# KiCad board pbx-sniffer-v2.kicad_pcb
title: M5 PBX Sniffer; date: 2026-06-01; rev: V2; note: Tobe Cynar
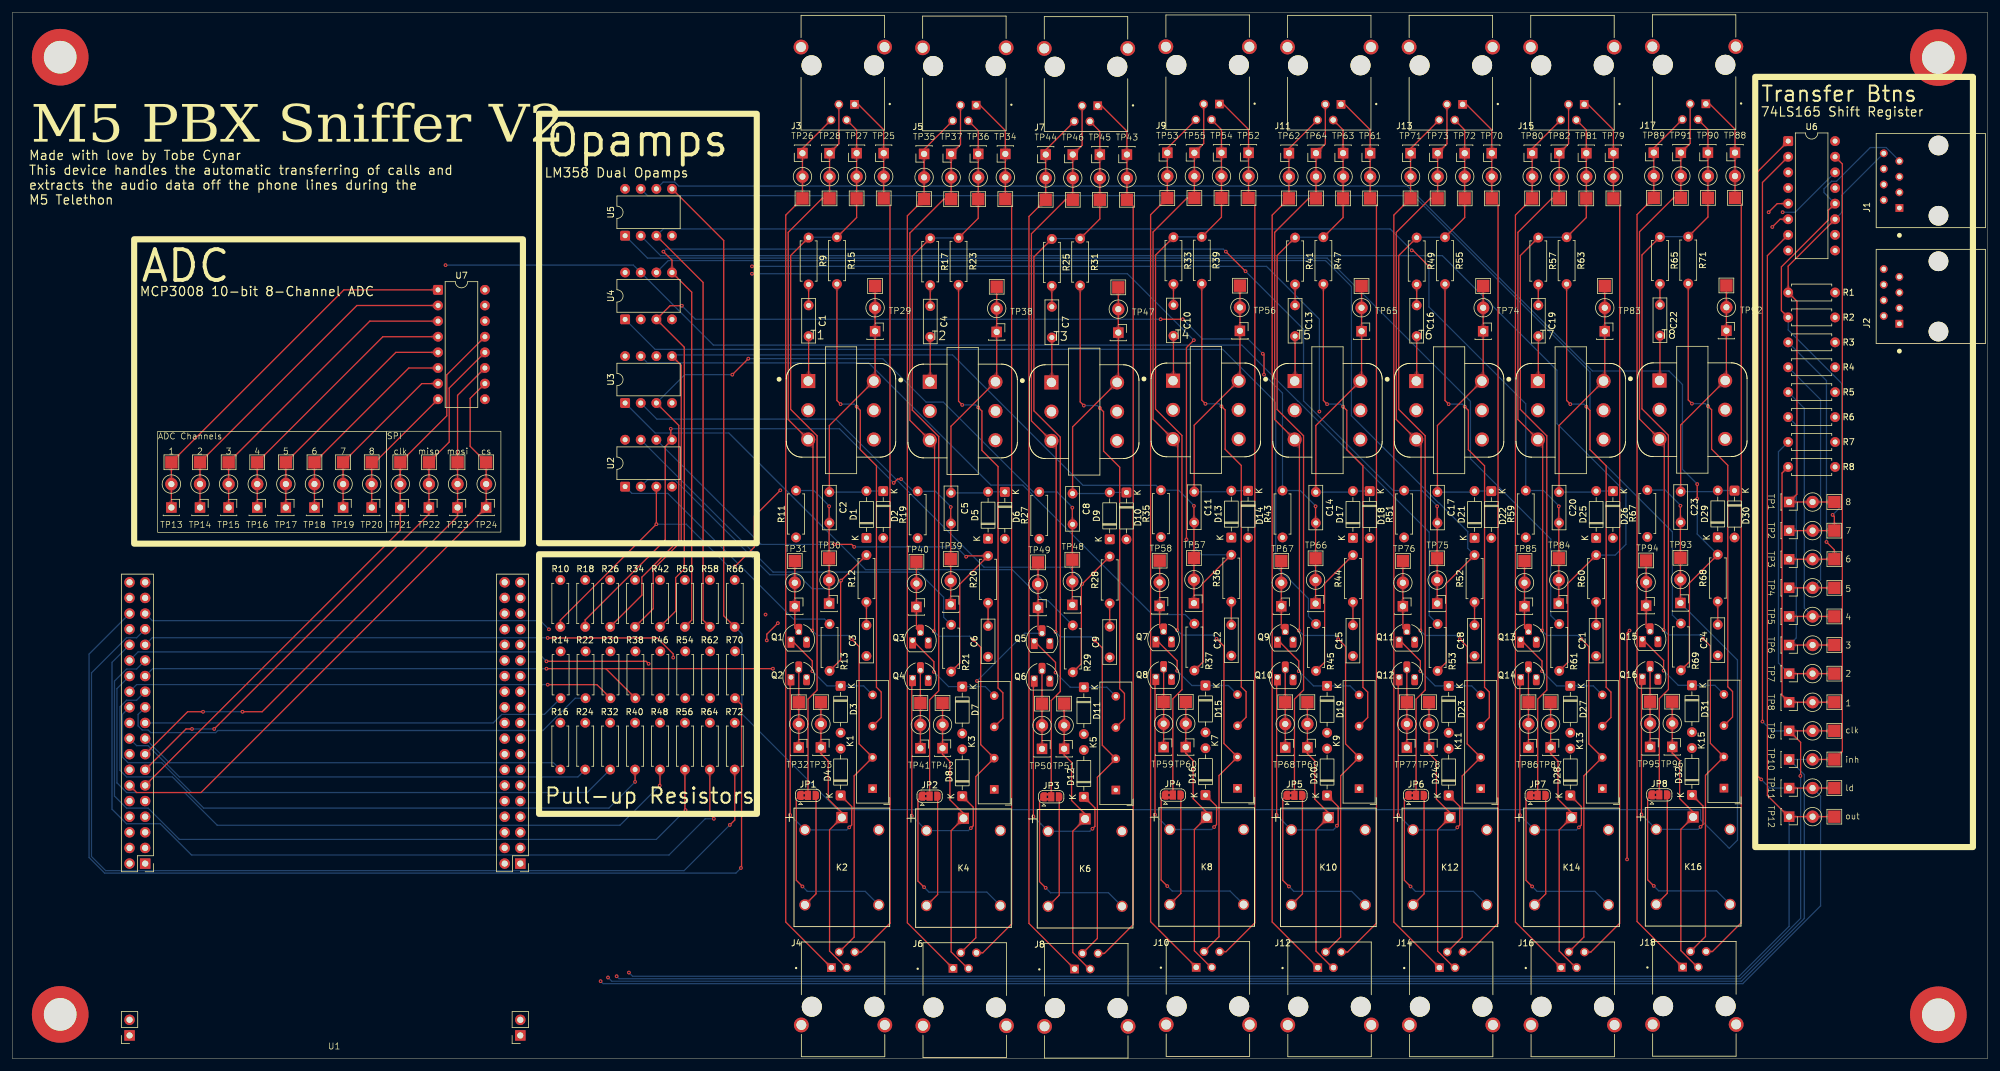
[diagram p0: board, top side]
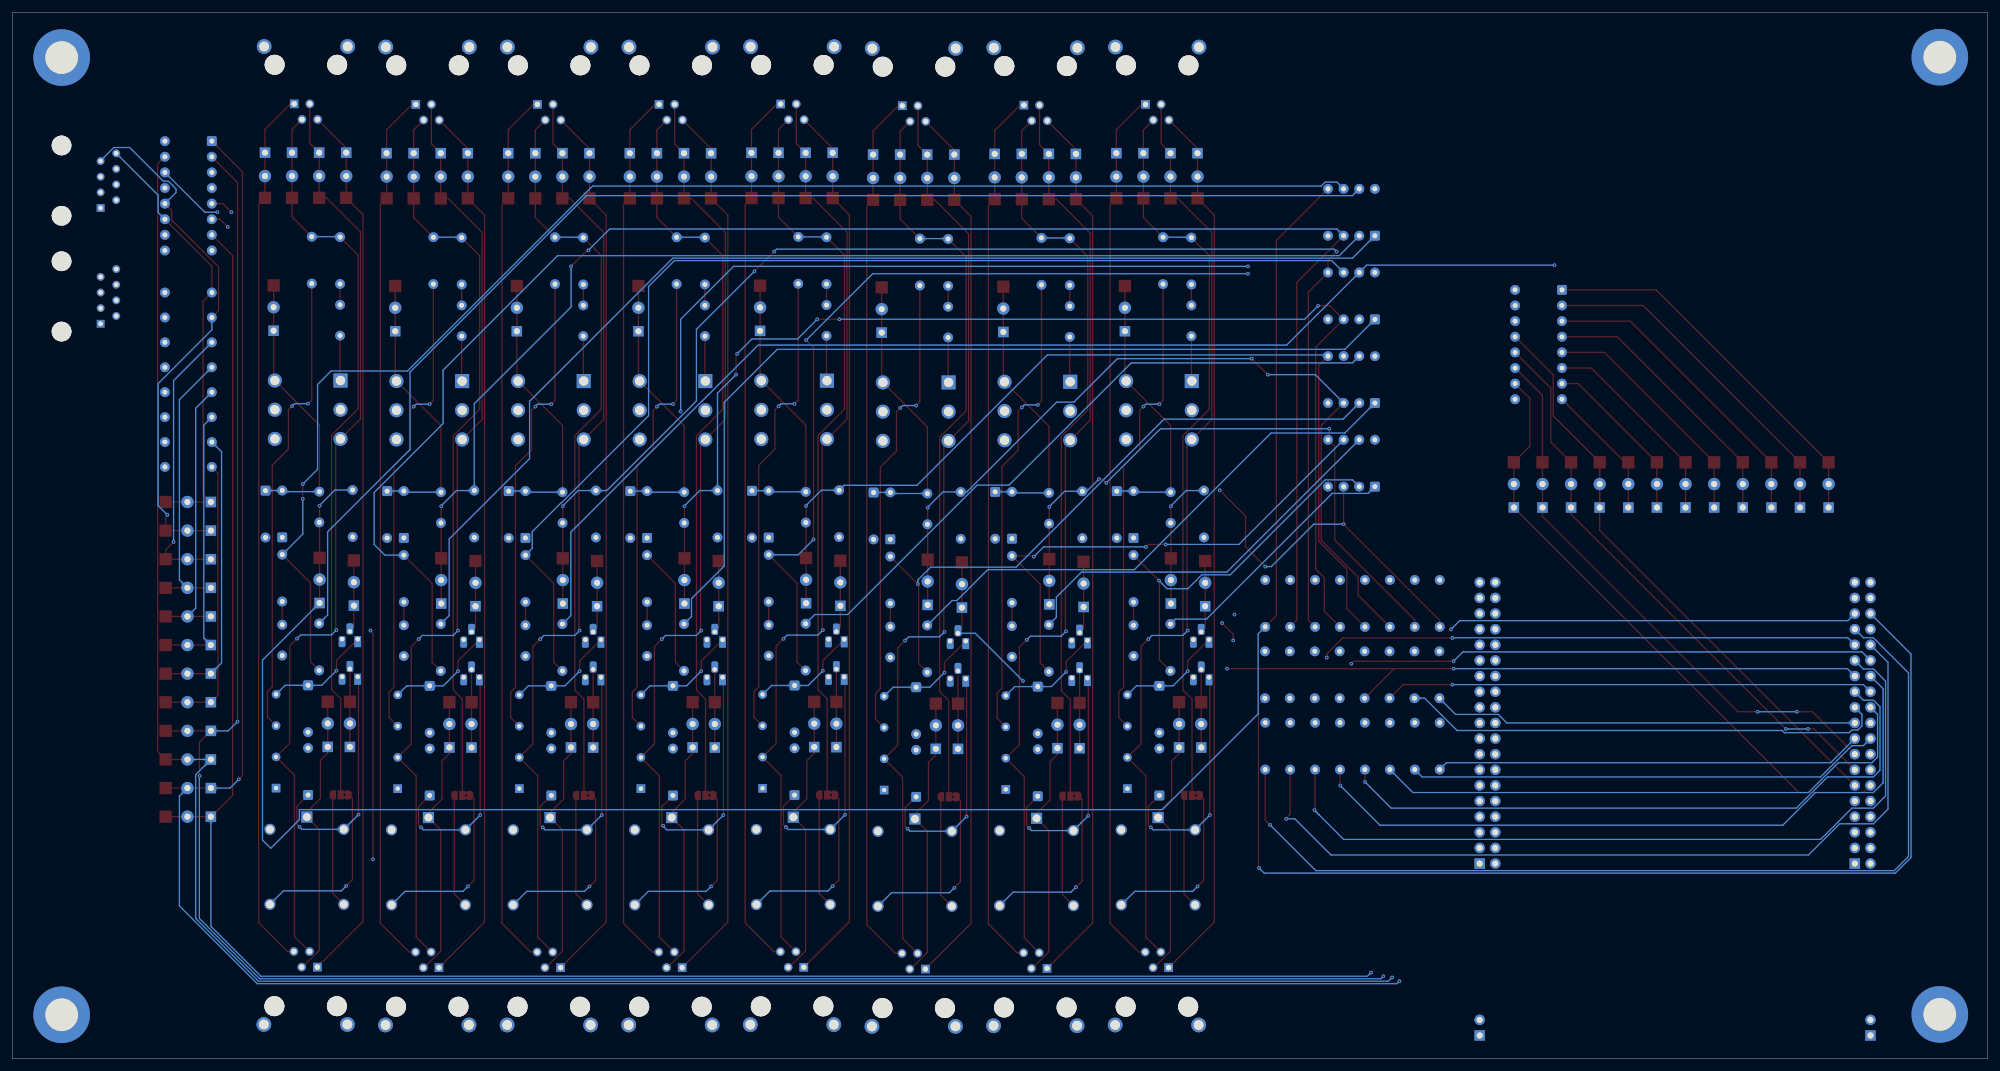
[diagram p1: board, bottom side, seen from below]

Outline 321 x 170.1 mm; copper layers: Top, In1.Cu, In2.Cu, Bottom. Coordinates in mm from the lower left corner of the outline.
Outline path: rectangle 0,170.1 321,0
Stack: Top 0.035mm / dielectric 0.1mm FR4 er 4.5 / In1.Cu 0.035mm / dielectric 1.24mm FR4 er 4.5 / In2.Cu 0.035mm / dielectric 0.1mm FR4 er 4.5 / Bottom 0.035mm

## Placement (name value [footprint] x y rotation side)
C1  0.47u  [C_Rect_L7.0mm_W2.0mm_P5.00mm]  129.4 122.46 270 top
C2  0.47u  [C_Rect_L7.0mm_W2.0mm_P5.00mm]  132.77 92.09 270 top
C3  0.47u  [C_Rect_L7.0mm_W2.0mm_P5.00mm]  138.8 65.46 90 top
C4  0.47u  [C_Rect_L7.0mm_W2.0mm_P5.00mm]  149.16 122.34 270 top
C5  0.47u  [C_Rect_L7.0mm_W2.0mm_P5.00mm]  152.53 91.97 270 top
C6  0.47u  [C_Rect_L7.0mm_W2.0mm_P5.00mm]  158.56 65.34 90 top
C7  0.47u  [C_Rect_L7.0mm_W2.0mm_P5.00mm]  168.93 122.23 270 top
C8  0.47u  [C_Rect_L7.0mm_W2.0mm_P5.00mm]  172.3 91.87 270 top
C9  0.47u  [C_Rect_L7.0mm_W2.0mm_P5.00mm]  178.33 65.23 90 top
C10  0.47u  [C_Rect_L7.0mm_W2.0mm_P5.00mm]  188.69 122.51 270 top
C11  0.47u  [C_Rect_L7.0mm_W2.0mm_P5.00mm]  192.06 92.15 270 top
C12  0.47u  [C_Rect_L7.0mm_W2.0mm_P5.00mm]  198.09 65.51 90 top
C13  0.47u  [C_Rect_L7.0mm_W2.0mm_P5.00mm]  208.45 122.46 270 top
C14  0.47u  [C_Rect_L7.0mm_W2.0mm_P5.00mm]  211.82 92.09 270 top
C15  0.47u  [C_Rect_L7.0mm_W2.0mm_P5.00mm]  217.85 65.46 90 top
C16  0.47u  [C_Rect_L7.0mm_W2.0mm_P5.00mm]  228.21 122.46 270 top
C17  0.47u  [C_Rect_L7.0mm_W2.0mm_P5.00mm]  231.58 92.09 270 top
C18  0.47u  [C_Rect_L7.0mm_W2.0mm_P5.00mm]  237.61 65.46 90 top
C19  0.47u  [C_Rect_L7.0mm_W2.0mm_P5.00mm]  247.98 122.46 270 top
C20  0.47u  [C_Rect_L7.0mm_W2.0mm_P5.00mm]  251.35 92.09 270 top
C21  0.47u  [C_Rect_L7.0mm_W2.0mm_P5.00mm]  257.38 65.46 90 top
C22  0.47u  [C_Rect_L7.0mm_W2.0mm_P5.00mm]  267.74 122.54 270 top
C23  0.47u  [C_Rect_L7.0mm_W2.0mm_P5.00mm]  271.11 92.18 270 top
C24  0.47u  [C_Rect_L7.0mm_W2.0mm_P5.00mm]  277.14 65.54 90 top
D1  1N4148  [D_DO-35_SOD27_P7.62mm_Horizontal]  138.8 84.66 90 top
D2  1N4148  [D_DO-35_SOD27_P7.62mm_Horizontal]  141.52 92.26 270 top
D3  1N4148  [D_DO-35_SOD27_P7.62mm_Horizontal]  134.6 60.61 270 top
D4  1N4148  [D_DO-35_SOD27_P7.62mm_Horizontal]  134.6 42.79 90 top
D5  1N4148  [D_DO-35_SOD27_P7.62mm_Horizontal]  158.56 84.54 90 top
D6  1N4148  [D_DO-35_SOD27_P7.62mm_Horizontal]  161.29 92.14 270 top
D7  1N4148  [D_DO-35_SOD27_P7.62mm_Horizontal]  154.36 60.49 270 top
D8  1N4148  [D_DO-35_SOD27_P7.62mm_Horizontal]  154.36 42.67 90 top
D9  1N4148  [D_DO-35_SOD27_P7.62mm_Horizontal]  178.33 84.43 90 top
D10  1N4148  [D_DO-35_SOD27_P7.62mm_Horizontal]  181.05 92.04 270 top
D11  1N4148  [D_DO-35_SOD27_P7.62mm_Horizontal]  174.13 60.39 270 top
D12  1N4148  [D_DO-35_SOD27_P7.62mm_Horizontal]  174.13 42.57 90 top
D13  1N4148  [D_DO-35_SOD27_P7.62mm_Horizontal]  198.09 84.71 90 top
D14  1N4148  [D_DO-35_SOD27_P7.62mm_Horizontal]  200.81 92.32 270 top
D15  1N4148  [D_DO-35_SOD27_P7.62mm_Horizontal]  193.89 60.67 270 top
D16  1N4148  [D_DO-35_SOD27_P7.62mm_Horizontal]  193.89 42.85 90 top
D17  1N4148  [D_DO-35_SOD27_P7.62mm_Horizontal]  217.85 84.66 90 top
D18  1N4148  [D_DO-35_SOD27_P7.62mm_Horizontal]  220.57 92.26 270 top
D19  1N4148  [D_DO-35_SOD27_P7.62mm_Horizontal]  213.65 60.61 270 top
D20  1N4148  [D_DO-35_SOD27_P7.62mm_Horizontal]  213.65 42.79 90 top
D21  1N4148  [D_DO-35_SOD27_P7.62mm_Horizontal]  237.61 84.66 90 top
D22  1N4148  [D_DO-35_SOD27_P7.62mm_Horizontal]  240.34 92.26 270 top
D23  1N4148  [D_DO-35_SOD27_P7.62mm_Horizontal]  233.41 60.61 270 top
D24  1N4148  [D_DO-35_SOD27_P7.62mm_Horizontal]  233.41 42.79 90 top
D25  1N4148  [D_DO-35_SOD27_P7.62mm_Horizontal]  257.38 84.66 90 top
D26  1N4148  [D_DO-35_SOD27_P7.62mm_Horizontal]  260.1 92.26 270 top
D27  1N4148  [D_DO-35_SOD27_P7.62mm_Horizontal]  253.18 60.61 270 top
D28  1N4148  [D_DO-35_SOD27_P7.62mm_Horizontal]  253.18 42.79 90 top
D29  1N4148  [D_DO-35_SOD27_P7.62mm_Horizontal]  277.14 84.74 90 top
D30  1N4148  [D_DO-35_SOD27_P7.62mm_Horizontal]  279.86 92.35 270 top
D31  1N4148  [D_DO-35_SOD27_P7.62mm_Horizontal]  272.94 60.7 270 top
D32  1N4148  [D_DO-35_SOD27_P7.62mm_Horizontal]  272.94 42.88 90 top
H1  -  [MountingHole_5.3mm_M5_DIN965_Pad]  7.78 7.2 0 top
H1#2  -  [MountingHole_5.3mm_M5_DIN965_Pad]  7.78 162.8 0 top
H1#3  -  [MountingHole_5.3mm_M5_DIN965_Pad]  312.98 7.14 0 top
H1#4  -  [MountingHole_5.3mm_M5_DIN965_Pad]  312.98 162.74 0 top
J1  8P8C  [AMPHENOL_54602-908LF]  313 142.74 90 top
J2  8P8C  [AMPHENOL_54602-908LF]  313 123.91 90 top
J3  6P4C  [CUI_CRJ050-1-TH]  134.95 161.48 180 top
J4  6P4C  [CUI_CRJ050-1-TH]  135 8.45 0 top
J5  6P4C  [CUI_CRJ050-1-TH]  154.71 161.36 180 top
J6  6P4C  [CUI_CRJ050-1-TH]  154.76 8.33 0 top
J7  6P4C  [CUI_CRJ050-1-TH]  174.48 161.26 180 top
J8  6P4C  [CUI_CRJ050-1-TH]  174.53 8.23 0 top
J9  6P4C  [CUI_CRJ050-1-TH]  194.24 161.54 180 top
J10  6P4C  [CUI_CRJ050-1-TH]  194.29 8.51 0 top
J11  6P4C  [CUI_CRJ050-1-TH]  214 161.48 180 top
J12  6P4C  [CUI_CRJ050-1-TH]  214.05 8.45 0 top
J13  6P4C  [CUI_CRJ050-1-TH]  233.76 161.48 180 top
J14  6P4C  [CUI_CRJ050-1-TH]  233.81 8.45 0 top
J15  6P4C  [CUI_CRJ050-1-TH]  253.53 161.48 180 top
J16  6P4C  [CUI_CRJ050-1-TH]  253.58 8.45 0 top
J17  6P4C  [CUI_CRJ050-1-TH]  273.29 161.57 180 top
J18  6P4C  [CUI_CRJ050-1-TH]  273.34 8.54 0 top
JP1  Jumper_1-2  [SolderJumper-3_P1.3mm_Bridged2Bar12_RoundedPad1.0x1.5mm]  129.3 42.8 0 top
JP2  Jumper_1-2  [SolderJumper-3_P1.3mm_Bridged2Bar12_RoundedPad1.0x1.5mm]  149.06 42.68 0 top
JP3  Jumper_1-2  [SolderJumper-3_P1.3mm_Bridged2Bar12_RoundedPad1.0x1.5mm]  168.83 42.58 0 top
JP4  Jumper_1-2  [SolderJumper-3_P1.3mm_Bridged2Bar12_RoundedPad1.0x1.5mm]  188.59 42.86 0 top
JP5  Jumper_1-2  [SolderJumper-3_P1.3mm_Bridged2Bar12_RoundedPad1.0x1.5mm]  208.35 42.8 0 top
JP6  Jumper_1-2  [SolderJumper-3_P1.3mm_Bridged2Bar12_RoundedPad1.0x1.5mm]  228.11 42.8 0 top
JP7  Jumper_1-2  [SolderJumper-3_P1.3mm_Bridged2Bar12_RoundedPad1.0x1.5mm]  247.88 42.8 0 top
JP8  Jumper_1-2  [SolderJumper-3_P1.3mm_Bridged2Bar12_RoundedPad1.0x1.5mm]  267.64 42.89 0 top
K1  Relay_SPST-NO  [Relay_SPST_StandexMeder_SIL_Form1A]  139.8 43.9 90 top
K2  Relay_SPDT  [K_AZ943-1C_AMZ]  134.8 39.2 0 top
K3  Relay_SPST-NO  [Relay_SPST_StandexMeder_SIL_Form1A]  159.56 43.78 90 top
K4  Relay_SPDT  [K_AZ943-1C_AMZ]  154.56 39.08 0 top
K5  Relay_SPST-NO  [Relay_SPST_StandexMeder_SIL_Form1A]  179.33 43.67 90 top
K6  Relay_SPDT  [K_AZ943-1C_AMZ]  174.33 38.98 0 top
K7  Relay_SPST-NO  [Relay_SPST_StandexMeder_SIL_Form1A]  199.09 43.95 90 top
K8  Relay_SPDT  [K_AZ943-1C_AMZ]  194.09 39.26 0 top
K9  Relay_SPST-NO  [Relay_SPST_StandexMeder_SIL_Form1A]  218.85 43.9 90 top
K10  Relay_SPDT  [K_AZ943-1C_AMZ]  213.85 39.2 0 top
K11  Relay_SPST-NO  [Relay_SPST_StandexMeder_SIL_Form1A]  238.61 43.9 90 top
K12  Relay_SPDT  [K_AZ943-1C_AMZ]  233.61 39.2 0 top
K13  Relay_SPST-NO  [Relay_SPST_StandexMeder_SIL_Form1A]  258.38 43.9 90 top
K14  Relay_SPDT  [K_AZ943-1C_AMZ]  253.38 39.2 0 top
K15  Relay_SPST-NO  [Relay_SPST_StandexMeder_SIL_Form1A]  278.14 43.98 90 top
K16  Relay_SPDT  [K_AZ943-1C_AMZ]  273.14 39.29 0 top
Q1  PMOS  [TO-92_HandSolder]  126.53 68.11 0 top
Q2  PMOS  [TO-92_HandSolder]  126.53 62 0 top
Q3  PMOS  [TO-92_HandSolder]  146.29 67.99 0 top
Q4  PMOS  [TO-92_HandSolder]  146.29 61.88 0 top
Q5  PMOS  [TO-92_HandSolder]  166.06 67.89 0 top
Q6  PMOS  [TO-92_HandSolder]  166.06 61.78 0 top
Q7  PMOS  [TO-92_HandSolder]  185.82 68.17 0 top
Q8  PMOS  [TO-92_HandSolder]  185.82 62.06 0 top
Q9  PMOS  [TO-92_HandSolder]  205.58 68.11 0 top
Q10  PMOS  [TO-92_HandSolder]  205.58 62 0 top
Q11  PMOS  [TO-92_HandSolder]  225.35 68.11 0 top
Q12  PMOS  [TO-92_HandSolder]  225.35 62 0 top
Q13  PMOS  [TO-92_HandSolder]  245.11 68.11 0 top
Q14  PMOS  [TO-92_HandSolder]  245.11 62 0 top
Q15  PMOS  [TO-92_HandSolder]  264.87 68.2 0 top
Q16  PMOS  [TO-92_HandSolder]  264.87 62.09 0 top
R1  10k  [R_Axial_DIN0207_L6.3mm_D2.5mm_P7.62mm_Horizontal]  288.58 124.55 0 top
R2  10k  [R_Axial_DIN0207_L6.3mm_D2.5mm_P7.62mm_Horizontal]  288.58 120.5 0 top
R3  10k  [R_Axial_DIN0207_L6.3mm_D2.5mm_P7.62mm_Horizontal]  288.58 116.45 0 top
R4  10k  [R_Axial_DIN0207_L6.3mm_D2.5mm_P7.62mm_Horizontal]  288.58 112.4 0 top
R5  10k  [R_Axial_DIN0207_L6.3mm_D2.5mm_P7.62mm_Horizontal]  288.58 108.35 0 top
R6  10k  [R_Axial_DIN0207_L6.3mm_D2.5mm_P7.62mm_Horizontal]  288.58 104.3 0 top
R7  10k  [R_Axial_DIN0207_L6.3mm_D2.5mm_P7.62mm_Horizontal]  288.58 100.25 0 top
R8  10k  [R_Axial_DIN0207_L6.3mm_D2.5mm_P7.62mm_Horizontal]  288.58 96.2 0 top
R9  10k  [R_Axial_DIN0207_L6.3mm_D2.5mm_P7.62mm_Horizontal]  129.4 133.48 270 top
R10  10k  [R_Axial_DIN0207_L6.3mm_D2.5mm_P7.62mm_Horizontal]  89.05 70.2 90 top
R11  10k  [R_Axial_DIN0207_L6.3mm_D2.5mm_P7.62mm_Horizontal]  127.36 84.73 90 top
R12  1k  [R_Axial_DIN0207_L6.3mm_D2.5mm_P7.62mm_Horizontal]  138.8 74.24 90 top
R13  10k  [R_Axial_DIN0207_L6.3mm_D2.5mm_P7.62mm_Horizontal]  132.8 63.04 90 top
R14  10k  [R_Axial_DIN0207_L6.3mm_D2.5mm_P7.62mm_Horizontal]  89.1 66.22 270 top
R15  500  [R_Axial_DIN0207_L6.3mm_D2.5mm_P7.62mm_Horizontal]  134 133.54 270 top
R16  10k  [R_Axial_DIN0207_L6.3mm_D2.5mm_P7.62mm_Horizontal]  89.05 47 90 top
R17  10k  [R_Axial_DIN0207_L6.3mm_D2.5mm_P7.62mm_Horizontal]  149.16 133.36 270 top
R18  10k  [R_Axial_DIN0207_L6.3mm_D2.5mm_P7.62mm_Horizontal]  93.1 70.2 90 top
R19  10k  [R_Axial_DIN0207_L6.3mm_D2.5mm_P7.62mm_Horizontal]  147.12 84.61 90 top
R20  1k  [R_Axial_DIN0207_L6.3mm_D2.5mm_P7.62mm_Horizontal]  158.56 74.12 90 top
R21  10k  [R_Axial_DIN0207_L6.3mm_D2.5mm_P7.62mm_Horizontal]  152.56 62.92 90 top
R22  10k  [R_Axial_DIN0207_L6.3mm_D2.5mm_P7.62mm_Horizontal]  93.15 66.22 270 top
R23  500  [R_Axial_DIN0207_L6.3mm_D2.5mm_P7.62mm_Horizontal]  153.76 133.42 270 top
R24  10k  [R_Axial_DIN0207_L6.3mm_D2.5mm_P7.62mm_Horizontal]  93.1 47 90 top
R25  10k  [R_Axial_DIN0207_L6.3mm_D2.5mm_P7.62mm_Horizontal]  168.93 133.25 270 top
R26  10k  [R_Axial_DIN0207_L6.3mm_D2.5mm_P7.62mm_Horizontal]  97.15 70.2 90 top
R27  10k  [R_Axial_DIN0207_L6.3mm_D2.5mm_P7.62mm_Horizontal]  166.88 84.51 90 top
R28  1k  [R_Axial_DIN0207_L6.3mm_D2.5mm_P7.62mm_Horizontal]  178.33 74.01 90 top
R29  10k  [R_Axial_DIN0207_L6.3mm_D2.5mm_P7.62mm_Horizontal]  172.33 62.81 90 top
R30  10k  [R_Axial_DIN0207_L6.3mm_D2.5mm_P7.62mm_Horizontal]  97.2 66.22 270 top
R31  500  [R_Axial_DIN0207_L6.3mm_D2.5mm_P7.62mm_Horizontal]  173.53 133.31 270 top
R32  10k  [R_Axial_DIN0207_L6.3mm_D2.5mm_P7.62mm_Horizontal]  97.15 47 90 top
R33  10k  [R_Axial_DIN0207_L6.3mm_D2.5mm_P7.62mm_Horizontal]  188.69 133.53 270 top
R34  10k  [R_Axial_DIN0207_L6.3mm_D2.5mm_P7.62mm_Horizontal]  101.2 70.2 90 top
R35  10k  [R_Axial_DIN0207_L6.3mm_D2.5mm_P7.62mm_Horizontal]  186.64 84.79 90 top
R36  1k  [R_Axial_DIN0207_L6.3mm_D2.5mm_P7.62mm_Horizontal]  198.09 74.29 90 top
R37  10k  [R_Axial_DIN0207_L6.3mm_D2.5mm_P7.62mm_Horizontal]  192.09 63.09 90 top
R38  10k  [R_Axial_DIN0207_L6.3mm_D2.5mm_P7.62mm_Horizontal]  101.25 66.22 270 top
R39  500  [R_Axial_DIN0207_L6.3mm_D2.5mm_P7.62mm_Horizontal]  193.29 133.59 270 top
R40  10k  [R_Axial_DIN0207_L6.3mm_D2.5mm_P7.62mm_Horizontal]  101.2 47 90 top
R41  10k  [R_Axial_DIN0207_L6.3mm_D2.5mm_P7.62mm_Horizontal]  208.45 133.48 270 top
R42  10k  [R_Axial_DIN0207_L6.3mm_D2.5mm_P7.62mm_Horizontal]  105.25 70.2 90 top
R43  10k  [R_Axial_DIN0207_L6.3mm_D2.5mm_P7.62mm_Horizontal]  206.41 84.73 90 top
R44  1k  [R_Axial_DIN0207_L6.3mm_D2.5mm_P7.62mm_Horizontal]  217.85 74.24 90 top
R45  10k  [R_Axial_DIN0207_L6.3mm_D2.5mm_P7.62mm_Horizontal]  211.85 63.04 90 top
R46  10k  [R_Axial_DIN0207_L6.3mm_D2.5mm_P7.62mm_Horizontal]  105.3 66.22 270 top
R47  500  [R_Axial_DIN0207_L6.3mm_D2.5mm_P7.62mm_Horizontal]  213.05 133.54 270 top
R48  10k  [R_Axial_DIN0207_L6.3mm_D2.5mm_P7.62mm_Horizontal]  105.25 47 90 top
R49  10k  [R_Axial_DIN0207_L6.3mm_D2.5mm_P7.62mm_Horizontal]  228.21 133.48 270 top
R50  10k  [R_Axial_DIN0207_L6.3mm_D2.5mm_P7.62mm_Horizontal]  109.3 70.2 90 top
R51  10k  [R_Axial_DIN0207_L6.3mm_D2.5mm_P7.62mm_Horizontal]  226.17 84.73 90 top
R52  1k  [R_Axial_DIN0207_L6.3mm_D2.5mm_P7.62mm_Horizontal]  237.61 74.24 90 top
R53  10k  [R_Axial_DIN0207_L6.3mm_D2.5mm_P7.62mm_Horizontal]  231.61 63.04 90 top
R54  10k  [R_Axial_DIN0207_L6.3mm_D2.5mm_P7.62mm_Horizontal]  109.35 66.22 270 top
R55  500  [R_Axial_DIN0207_L6.3mm_D2.5mm_P7.62mm_Horizontal]  232.81 133.54 270 top
R56  10k  [R_Axial_DIN0207_L6.3mm_D2.5mm_P7.62mm_Horizontal]  109.3 47 90 top
R57  10k  [R_Axial_DIN0207_L6.3mm_D2.5mm_P7.62mm_Horizontal]  247.98 133.48 270 top
R58  10k  [R_Axial_DIN0207_L6.3mm_D2.5mm_P7.62mm_Horizontal]  113.35 70.2 90 top
R59  10k  [R_Axial_DIN0207_L6.3mm_D2.5mm_P7.62mm_Horizontal]  245.93 84.73 90 top
R60  1k  [R_Axial_DIN0207_L6.3mm_D2.5mm_P7.62mm_Horizontal]  257.38 74.24 90 top
R61  10k  [R_Axial_DIN0207_L6.3mm_D2.5mm_P7.62mm_Horizontal]  251.38 63.04 90 top
R62  10k  [R_Axial_DIN0207_L6.3mm_D2.5mm_P7.62mm_Horizontal]  113.4 66.22 270 top
R63  500  [R_Axial_DIN0207_L6.3mm_D2.5mm_P7.62mm_Horizontal]  252.58 133.54 270 top
R64  10k  [R_Axial_DIN0207_L6.3mm_D2.5mm_P7.62mm_Horizontal]  113.35 47 90 top
R65  10k  [R_Axial_DIN0207_L6.3mm_D2.5mm_P7.62mm_Horizontal]  267.74 133.56 270 top
R66  10k  [R_Axial_DIN0207_L6.3mm_D2.5mm_P7.62mm_Horizontal]  117.4 70.2 90 top
R67  10k  [R_Axial_DIN0207_L6.3mm_D2.5mm_P7.62mm_Horizontal]  265.69 84.82 90 top
R68  1k  [R_Axial_DIN0207_L6.3mm_D2.5mm_P7.62mm_Horizontal]  277.14 74.32 90 top
R69  10k  [R_Axial_DIN0207_L6.3mm_D2.5mm_P7.62mm_Horizontal]  271.14 63.12 90 top
R70  10k  [R_Axial_DIN0207_L6.3mm_D2.5mm_P7.62mm_Horizontal]  117.45 66.22 270 top
R71  500  [R_Axial_DIN0207_L6.3mm_D2.5mm_P7.62mm_Horizontal]  272.34 133.62 270 top
R72  10k  [R_Axial_DIN0207_L6.3mm_D2.5mm_P7.62mm_Horizontal]  117.4 47 90 top
T1  Transformer_1P_1S  [TY-145P]  134.67 105.41 0 top
T2  Transformer_1P_1S  [TY-145P]  154.43 105.29 0 top
T3  Transformer_1P_1S  [TY-145P]  174.19 105.18 0 top
T4  Transformer_1P_1S  [TY-145P]  193.95 105.46 0 top
T5  Transformer_1P_1S  [TY-145P]  213.72 105.41 0 top
T6  Transformer_1P_1S  [TY-145P]  233.48 105.41 0 top
T7  Transformer_1P_1S  [TY-145P]  253.24 105.41 0 top
T8  Transformer_1P_1S  [TY-145P]  273 105.49 0 top
TP1  TestPoint  [M5_3in1_TestPoint]  297.12 91.53 270 top
TP2  TestPoint  [M5_3in1_TestPoint]  297.12 86.88 270 top
TP3  TestPoint  [M5_3in1_TestPoint]  297.12 82.23 270 top
TP4  TestPoint  [M5_3in1_TestPoint]  297.12 77.58 270 top
TP5  TestPoint  [M5_3in1_TestPoint]  297.12 72.93 270 top
TP6  TestPoint  [M5_3in1_TestPoint]  297.12 68.28 270 top
TP7  TestPoint  [M5_3in1_TestPoint]  297.12 63.63 270 top
TP8  TestPoint  [M5_3in1_TestPoint]  297.12 58.98 270 top
TP9  TestPoint  [M5_3in1_TestPoint]  297.12 54.33 270 top
TP10  TestPoint  [M5_3in1_TestPoint]  297.12 49.68 270 top
TP11  TestPoint  [M5_3in1_TestPoint]  297.12 45.03 270 top
TP12  TestPoint  [M5_3in1_TestPoint]  297.12 40.38 270 top
TP13  TestPoint  [M5_3in1_TestPoint]  24.81 97.99 0 top
TP14  TestPoint  [M5_3in1_TestPoint]  29.46 97.99 0 top
TP15  TestPoint  [M5_3in1_TestPoint]  34.11 97.99 0 top
TP16  TestPoint  [M5_3in1_TestPoint]  38.76 97.99 0 top
TP17  TestPoint  [M5_3in1_TestPoint]  43.41 97.99 0 top
TP18  TestPoint  [M5_3in1_TestPoint]  48.06 97.99 0 top
TP19  TestPoint  [M5_3in1_TestPoint]  52.71 97.99 0 top
TP20  TestPoint  [M5_3in1_TestPoint]  57.36 97.99 0 top
TP21  TestPoint  [M5_3in1_TestPoint]  62.01 97.99 0 top
TP22  TestPoint  [M5_3in1_TestPoint]  66.66 97.99 0 top
TP23  TestPoint  [M5_3in1_TestPoint]  71.31 97.99 0 top
TP24  TestPoint  [M5_3in1_TestPoint]  75.96 97.99 0 top
TP25  TestPoint  [M5_3in1_TestPoint]  142.64 138.81 180 top
TP26  TestPoint  [M5_3in1_TestPoint]  129.44 138.81 180 top
TP27  TestPoint  [M5_3in1_TestPoint]  138.24 138.81 180 top
TP28  TestPoint  [M5_3in1_TestPoint]  133.84 138.81 180 top
TP29  TestPoint  [M5_3in1_TestPoint]  139.16 126.65 0 top
TP30  TestPoint  [M5_3in1_TestPoint]  131.69 82.38 0 top
TP31  TestPoint  [M5_3in1_TestPoint]  126.12 81.94 0 top
TP32  TestPoint  [M5_3in1_TestPoint]  126.76 58.98 0 top
TP33  TestPoint  [M5_3in1_TestPoint]  130.36 58.99 0 top
TP34  TestPoint  [M5_3in1_TestPoint]  162.4 138.69 180 top
TP35  TestPoint  [M5_3in1_TestPoint]  149.2 138.69 180 top
TP36  TestPoint  [M5_3in1_TestPoint]  158 138.69 180 top
TP37  TestPoint  [M5_3in1_TestPoint]  153.6 138.69 180 top
TP38  TestPoint  [M5_3in1_TestPoint]  158.92 126.53 0 top
TP39  TestPoint  [M5_3in1_TestPoint]  151.45 82.26 0 top
TP40  TestPoint  [M5_3in1_TestPoint]  145.88 81.82 0 top
TP41  TestPoint  [M5_3in1_TestPoint]  146.52 58.86 0 top
TP42  TestPoint  [M5_3in1_TestPoint]  150.12 58.87 0 top
TP43  TestPoint  [M5_3in1_TestPoint]  182.17 138.59 180 top
TP44  TestPoint  [M5_3in1_TestPoint]  168.97 138.59 180 top
TP45  TestPoint  [M5_3in1_TestPoint]  177.77 138.59 180 top
TP46  TestPoint  [M5_3in1_TestPoint]  173.37 138.59 180 top
TP47  TestPoint  [M5_3in1_TestPoint]  178.69 126.42 0 top
TP48  TestPoint  [M5_3in1_TestPoint]  171.21 82.16 0 top
TP49  TestPoint  [M5_3in1_TestPoint]  165.64 81.72 0 top
TP50  TestPoint  [M5_3in1_TestPoint]  166.29 58.76 0 top
TP51  TestPoint  [M5_3in1_TestPoint]  169.89 58.77 0 top
TP52  TestPoint  [M5_3in1_TestPoint]  201.93 138.87 180 top
TP53  TestPoint  [M5_3in1_TestPoint]  188.73 138.87 180 top
TP54  TestPoint  [M5_3in1_TestPoint]  197.53 138.87 180 top
TP55  TestPoint  [M5_3in1_TestPoint]  193.13 138.87 180 top
TP56  TestPoint  [M5_3in1_TestPoint]  198.45 126.7 0 top
TP57  TestPoint  [M5_3in1_TestPoint]  190.98 82.44 0 top
TP58  TestPoint  [M5_3in1_TestPoint]  185.4 82 0 top
TP59  TestPoint  [M5_3in1_TestPoint]  186.05 59.04 0 top
TP60  TestPoint  [M5_3in1_TestPoint]  189.65 59.05 0 top
TP61  TestPoint  [M5_3in1_TestPoint]  221.69 138.81 180 top
TP62  TestPoint  [M5_3in1_TestPoint]  208.49 138.81 180 top
TP63  TestPoint  [M5_3in1_TestPoint]  217.29 138.81 180 top
TP64  TestPoint  [M5_3in1_TestPoint]  212.89 138.81 180 top
TP65  TestPoint  [M5_3in1_TestPoint]  218.21 126.65 0 top
TP66  TestPoint  [M5_3in1_TestPoint]  210.74 82.38 0 top
TP67  TestPoint  [M5_3in1_TestPoint]  205.17 81.94 0 top
TP68  TestPoint  [M5_3in1_TestPoint]  205.81 58.98 0 top
TP69  TestPoint  [M5_3in1_TestPoint]  209.41 58.99 0 top
TP70  TestPoint  [M5_3in1_TestPoint]  241.45 138.81 180 top
TP71  TestPoint  [M5_3in1_TestPoint]  228.25 138.81 180 top
TP72  TestPoint  [M5_3in1_TestPoint]  237.05 138.81 180 top
TP73  TestPoint  [M5_3in1_TestPoint]  232.65 138.81 180 top
TP74  TestPoint  [M5_3in1_TestPoint]  237.97 126.65 0 top
TP75  TestPoint  [M5_3in1_TestPoint]  230.5 82.38 0 top
TP76  TestPoint  [M5_3in1_TestPoint]  224.93 81.94 0 top
TP77  TestPoint  [M5_3in1_TestPoint]  225.57 58.98 0 top
TP78  TestPoint  [M5_3in1_TestPoint]  229.17 58.99 0 top
TP79  TestPoint  [M5_3in1_TestPoint]  261.22 138.81 180 top
TP80  TestPoint  [M5_3in1_TestPoint]  248.02 138.81 180 top
TP81  TestPoint  [M5_3in1_TestPoint]  256.82 138.81 180 top
TP82  TestPoint  [M5_3in1_TestPoint]  252.42 138.81 180 top
TP83  TestPoint  [M5_3in1_TestPoint]  257.74 126.65 0 top
TP84  TestPoint  [M5_3in1_TestPoint]  250.26 82.38 0 top
TP85  TestPoint  [M5_3in1_TestPoint]  244.69 81.94 0 top
TP86  TestPoint  [M5_3in1_TestPoint]  245.34 58.98 0 top
TP87  TestPoint  [M5_3in1_TestPoint]  248.94 58.99 0 top
TP88  TestPoint  [M5_3in1_TestPoint]  280.98 138.9 180 top
TP89  TestPoint  [M5_3in1_TestPoint]  267.78 138.9 180 top
TP90  TestPoint  [M5_3in1_TestPoint]  276.58 138.9 180 top
TP91  TestPoint  [M5_3in1_TestPoint]  272.18 138.9 180 top
TP92  TestPoint  [M5_3in1_TestPoint]  277.5 126.73 0 top
TP93  TestPoint  [M5_3in1_TestPoint]  270.03 82.47 0 top
TP94  TestPoint  [M5_3in1_TestPoint]  264.45 82.03 0 top
TP95  TestPoint  [M5_3in1_TestPoint]  265.1 59.07 0 top
TP96  TestPoint  [M5_3in1_TestPoint]  268.7 59.08 0 top
U1  -  [STM32NucleoF303RE]  82.55 3.78 180 top
U2  LM358  [DIP-8_W7.62mm]  99.58 92.99 90 top
U3  LM358  [DIP-8_W7.62mm]  99.58 106.59 90 top
U4  LM358  [DIP-8_W7.62mm]  99.58 120.18 90 top
U5  LM358  [DIP-8_W7.62mm]  99.58 133.78 90 top
U6  74LS165  [DIP-16_W7.62mm]  288.58 149.16 0 top
U7  MCP3008  [DIP-16_W7.62mm]  69.18 124.98 0 top
